# KiCad board musa.kicad_pcb (continued)
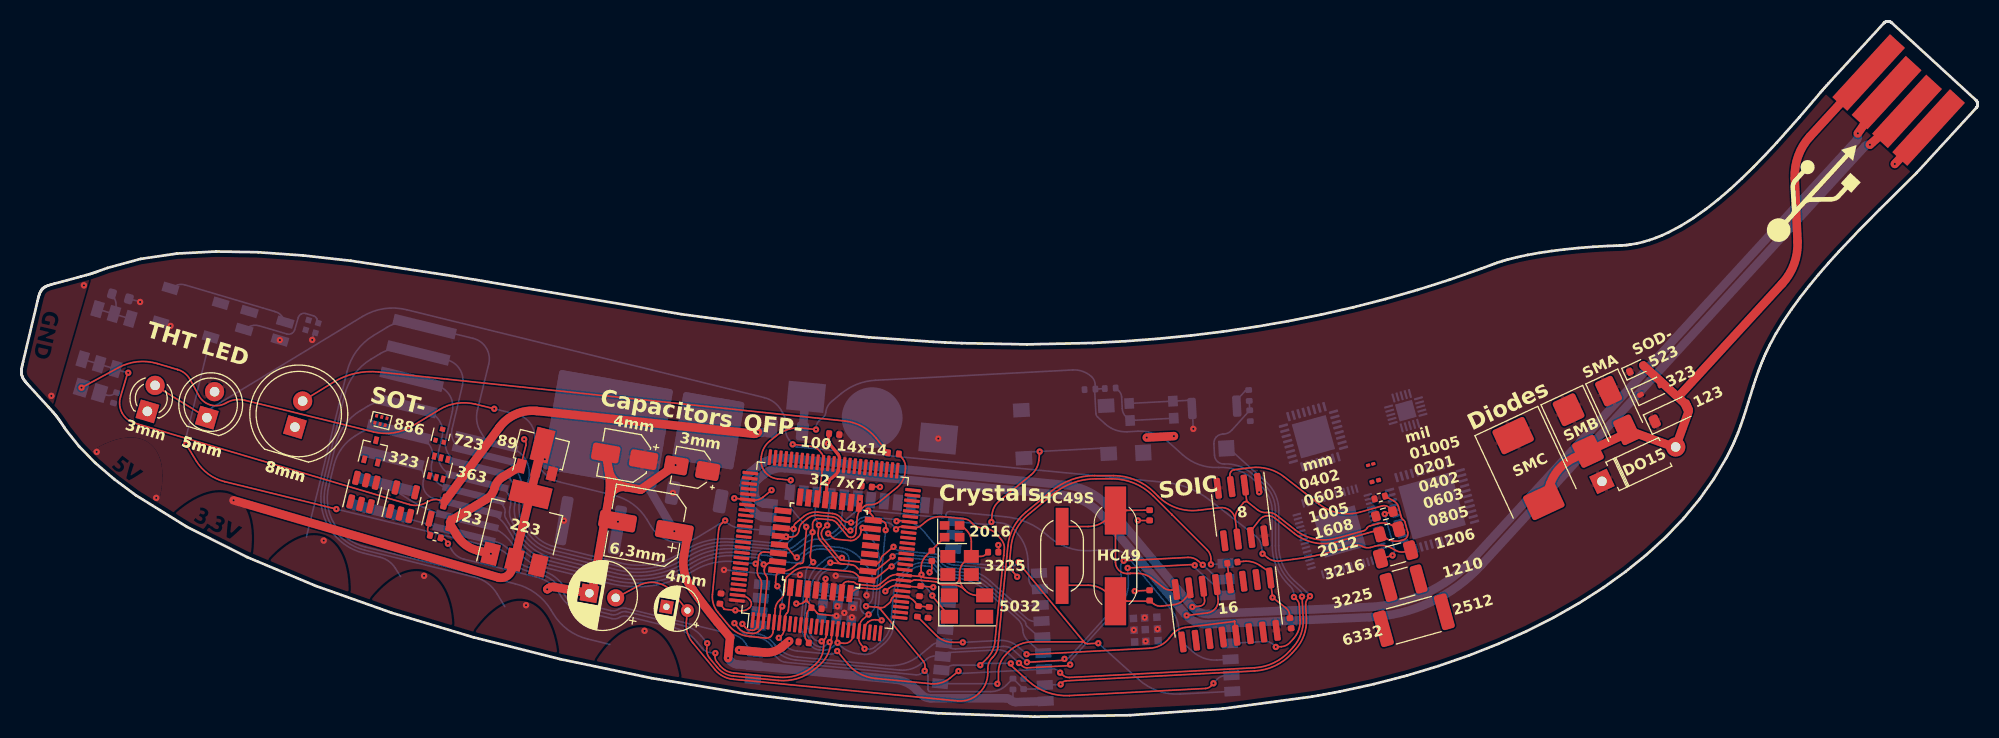
[diagram p0: board, top side]
## Routing (per net, layer and track width the routed paths; a pad name or vN(x,y) marks a point on that pad's centre or on a via; arc(x,y) is an arc through that point)
+3.3V: length 95.6
  Top w0.8: 62.33,16.7 62.34,16.69 arc(62.34,16.68) 62.34,16.67 62.06,15.08 arc(62.09,13.54) 62.71,12.14 62.92,11.84 arc(64.02,10.33) 65.19,8.86 66.38,7.41 v1(66.2,5.48) ; 19.88,20.25 44.65,13.04 arc(45.43,13.12) 45.91,13.73 U7.2 48.26,23.19
  Bottom w0.15: 64.32,26.76 58.43,27.7 ; R5.1 92.88,1.61 arc(92.95,1.43) 93.14,1.36
  Bottom w0.8: U5.1 93.14,1.36 arc(92.9,1.4) 92.7,1.54 arc(92.5,1.67) 92.26,1.72 85.17,1.72 arc(84.69,1.81) 84.29,2.08 83.83,2.54 arc(82.93,3.18) 81.86,3.47 67,4.9 arc(66.68,5) 66.42,5.21 v1(66.2,5.48) ; v1(61.16,17.36) 57.22,24.07
  vias: v1(19.87,20.26) v1(49.03,24.1)
GND: length 100.3
  Top w0.15: 73.32,10.72 73.29,10.71 arc(73.08,10.59) 72.84,10.57 v1(72.59,10.59) ; 73.32,10.72 arc(73.49,10.93) 73.56,11.19 ; 73.32,10.72 arc(73.52,10.79) 73.72,10.69 ; U8.1 47.26,25.42 arc(47.27,25.62) 47.2,25.8 v1(47.09,25.98) ; v1(91.51,16.07) 91.54,16.03 arc(91.56,15.99) 91.56,15.95 C11.2 ; v1(76.35,9.44) 76.34,9.44 arc(76.34,9.43) 76.33,9.43 74.78,9.58 arc(74.63,9.62) 74.52,9.72 74.17,10.14 ; C19.1 65.81,10.11 arc(65.82,10.11) 65.82,10.1 arc(65.82,10.1) 65.82,10.1 65.84,10.08 arc(65.86,10.06) 65.89,10.05 v1(66.88,9.95) 67.35,9.91 arc(67.78,9.95) 68.17,10.16 68.2,10.18 arc(68.38,10.52) 68.27,10.89 68.2,10.96 arc(67.89,11.22) 67.5,11.33 U2.99 ; 73.56,11.19 U4.3 ; 73.56,11.19 arc(73.59,10.92) 73.72,10.69 ; v1(104.29,11.76) 104.29,11.76 arc(104.29,11.76) 104.3,11.76 C12.1 ; U3.1 v1(117.19,11.15) 118.44,10.18 arc(118.67,9.92) 118.78,9.59 C4.2 ; v1(104.58,18.37) 105.68,18.35 ; U4.5 75.32,12.79 arc(75.32,12.8) 75.32,12.8 arc(75.32,12.8) 75.32,12.81 v1(75.33,12.9) ; 49.26,11.93 v1(49.26,11.92) ; v1(85.07,13.51) 85.17,13.61 arc(85.25,13.73) 85.28,13.87 85.28,14.47 ; C3.1 114.48,14.54 arc(115.27,14.49) 116,14.16 116.91,13.54 ; 79.76,21.4 79.85,21.48 arc(79.94,21.53) 80.05,21.54 v1(80.43,21.51) ; 73.97,10.38 73.72,10.69 ; v1(85.41,12.12) 85.41,12.12 arc(85.41,12.12) 85.41,12.12 C15.1 ; C14.1 73.56,7.14 arc(73.42,7.4) 73.39,7.69 73.58,9.62 arc(73.65,9.85) 73.8,10.04 74,10.2 ; v1(66.78,20.45) U2.81 68.55,20.27 arc(69.04,20.32) 69.48,20.56 v1(70.27,21.21) ; 84.18,12.19 84.15,12.17 arc(84.08,12.13) 84,12.12 82.13,12.3 arc(81.69,12.26) 81.29,12.04 v1(80.93,11.74) ; 40.15,18.2 arc(40.15,18.09) 40.18,17.98
  Top w0.3: U4.21 75.32,20.31 arc(75.33,20.32) 75.33,20.33 v1(75.49,22.02) 76.23,22.61 arc(76.44,22.86) 76.53,23.17 76.63,24.09 arc(76.6,24.35) 76.48,24.58 75.73,25.51 arc(75.68,25.55) 75.62,25.57 v1(75.56,25.57) C18.1
  Top w0.8: v1(43.98,15.25) 42.72,15.56 arc(41.61,16.08) 40.79,16.98 40.18,17.98 ; v1(71.92,7.08) 71.22,6.5 arc(70.46,6.09) 69.6,6.01 v1(67.22,6.24) ; 55,20.36 53.51,11.91 arc(53.46,11.77) 53.35,11.65 C1.2 49.84,12.15 arc(49.64,12.14) 49.45,12.06 49.27,11.94 arc(49.27,11.93) 49.26,11.93 ; 55,20.36 arc(55.58,21.26) 56.63,21.49 ; 55,20.36 arc(55.12,21.74) 55.01,23.12 ; U8.1 45.09,22.45 arc(44.6,22) 44.32,21.41 arc(44.05,20.81) 43.56,20.36 40.28,18.38 arc(40.2,18.3) 40.15,18.2 ; v1(175.48,51.75) J1.4 ; 56.63,21.49 57.97,21.26 arc(58.01,21.26) 58.04,21.28 58.07,21.3 arc(58.08,21.3) 58.08,21.31 arc(58.08,21.32) 58.09,21.32 v1(61.28,23.55) ; 56.63,21.49 arc(55.56,22.05) 55.01,23.12 ; v1(107.96,26.27) v1(105.41,26.13) ; 55.01,23.12 C6.2
  vias: v1(2.81,30.04) v1(5.86,40.39) v1(55.88,18.25) v1(76.44,10.34) v1(77.08,9.72) v1(77.79,9.3) v1(77.88,10.2) v1(104.2,8.11) v1(105.22,9.27) v1(105.3,7.05) v1(106.42,8.2) v1(115.94,21.01)
VCC: length 21.9
  Top w0.15: v1(79.16,11.36) 79.25,11.25
  Bottom w0.15: R13.2 11.08,38.87 arc(11.1,38.86) 11.11,38.85 v1(11.12,38.83) ; SW2.1 109.25,29.62 arc(109.4,29.6) 109.53,29.52 109.65,29.42 arc(109.65,29.41) 109.65,29.41 arc(109.64,29.4) 109.64,29.39 v1(109.77,26.95) ; v1(27.24,35.28) 27.41,35.98 ; v1(65.81,13.74) 65.95,13.73 arc(66.09,13.72) 66.22,13.71 70.67,13.28 arc(70.81,13.29) 70.93,13.36 arc(71.05,13.42) 71.19,13.44 v1(72.92,13.27) ; v1(76.28,13.19) 78.6,12.97 arc(78.87,12.89) 79.08,12.71 arc(79.22,12.47) 79.24,12.19 v1(79.16,11.36)
  vias: v1(7.06,24.79) v1(12.64,20.49) v1(13.97,36.58) v1(24.22,35.26) v1(50.83,18.35) v1(61.03,20.95) v1(85.88,26.04)
0/RX: length 102.5
  Top w0.15: 110.66,14.2 110.25,14.57 arc(109.8,14.84) 109.28,14.91 v1(103.25,14.6) ; U4.30 69.61,15.42 arc(69.41,15.4) 69.23,15.3 arc(69.1,15.15) 69.05,14.95 68.92,13.69 arc(68.96,13.34) 69.13,13.03 arc(69.29,12.73) 69.33,12.38 69.03,9.32 68.96,8.56 arc(68.9,8.37) 68.77,8.21 68.7,8.15 arc(68.6,8.09) 68.48,8.08 68.3,8.1 arc(68.02,8.18) 67.8,8.37 v1(67.54,8.68) ; v1(94.19,5.09) 97.49,5.27 arc(97.58,5.29) 97.65,5.34 v1(97.71,5.41)
  Bottom w0.15: v1(97.71,5.41) 97.87,5.42 arc(98.03,5.46) 98.15,5.55 102.04,9.87 arc(102.82,11.17) 103.03,12.66 102.96,14.04 arc(102.99,14.25) 103.1,14.43 v1(103.25,14.6) ; v1(67.54,8.68) 67.54,8.67 arc(67.54,8.66) 67.54,8.65 68.02,8.07 arc(68.23,7.9) 68.48,7.82 68.7,7.8 arc(69.68,7.51) 70.47,6.86 70.6,6.7 arc(71.54,5.93) 72.7,5.58 80.94,4.79 arc(82.67,4.97) 84.21,5.79 85.33,6.71 arc(85.66,6.89) 86.03,6.93 U6.36 86.74,6.61 arc(87.08,6.4) 87.48,6.34 91.97,6.58 arc(92.47,6.5) 92.91,6.24 v1(94.19,5.09) ; v1(68.78,14.32) 66.74,14.52 arc(64.79,14.39) 62.97,13.66 arc(59.18,12.28) 55.15,12.46 48.77,14.03 arc(47.25,14.74) 46.13,15.97 46.12,15.98 arc(45,17.21) 43.48,17.92 40.04,18.76 39.9,18.8 arc(38.09,19.4) 36.4,20.28 J4.7 ; 110.66,14.2 111.94,13.05 arc(112.21,12.88) 112.53,12.84 U5.11
  vias: v1(110.66,14.22)
1/TX: length 106.1
  Top w0.15: v1(109.9,14.18) 109.86,14.21 arc(109.82,14.24) 109.77,14.25 v1(103.62,13.92) ; v1(93.44,5.02) 93.78,4.72 arc(93.98,4.6) 94.21,4.57 98.08,4.77 arc(98.14,4.79) 98.19,4.83 v1(98.23,4.88) ; U4.31 70.6,14.55 arc(70.38,14.56) 70.16,14.49 69.93,14.34 arc(69.7,14.12) 69.59,13.81 69.58,13.72 arc(69.61,13.48) 69.73,13.26 arc(69.84,13.04) 69.87,12.79 U2.3 69.47,8.62 arc(69.38,8.32) 69.18,8.09 69.04,7.97 arc(68.76,7.82) 68.44,7.78 68.08,7.82 arc(67.57,7.97) 67.15,8.31 v1(66.79,8.75)
  Bottom w0.15: v1(103.62,13.92) 103.69,12.63 arc(103.51,11.41) 102.89,10.36 98.32,5.29 arc(98.25,5.17) 98.23,5.03 v1(98.23,4.88) ; v1(93.44,5.02) 92.48,5.89 arc(92.01,6.17) 91.46,6.25 86.89,6.01 arc(86.66,5.95) 86.47,5.81 U6.37 85.76,5.68 arc(85.25,5.63) 84.79,5.38 84.32,4.99 arc(83.35,4.47) 82.26,4.36 72.55,5.3 arc(71.39,5.65) 70.45,6.42 70.23,6.68 arc(69.54,7.24) 68.69,7.5 68.36,7.54 arc(67.79,7.72) 67.33,8.1 v1(66.79,8.75) ; J4.6 36.65,23.73 arc(37.49,23.11) 37.65,22.08 arc(37.81,21.05) 38.65,20.42 J3.6 43.41,19.24 arc(44.59,18.69) 45.47,17.73 46.1,16.69 arc(47.53,15.12) 49.46,14.22 55.27,12.79 arc(59.11,12.62) 62.73,13.92 63.09,14.14 arc(65.01,14.92) 67.08,15.05 68.74,14.89 arc(69,14.81) 69.21,14.64 v1(69.53,14.25) ; v1(109.9,14.18) 109.91,14.06 arc(109.93,13.96) 110,13.88 112.75,11.4 arc(112.81,11.36) 112.88,11.35 U5.12
11/MOSI: length 151.6
  Top w0.15: v1(79.36,9.56) 78.88,9.17 arc(78.61,8.84) 78.49,8.44 U2.21 78.41,7.55 arc(78.45,7.13) 78.65,6.75 v1(78.98,6.35) ; 75.65,17.13 75.84,16.89 arc(76.08,16.7) 76.38,16.61 77.65,16.49 arc(77.93,16.51) 78.18,16.65 78.38,16.81 arc(78.55,17.03) 78.63,17.29 78.65,17.5 arc(78.68,17.58) 78.72,17.63 v1(78.79,17.69) 78.86,17.73 arc(78.94,17.76) 79.02,17.76 U4.15 ; 75.65,17.13 75.62,17.16 ; 75.65,17.13 arc(75.63,17.14) 75.62,17.15 ; 75.62,17.16 arc(75.61,17.17) 75.59,17.16 v1(75.57,17.15) 75.53,17.15 75.62,17.15 ; 75.62,17.16 arc(75.62,17.15) 75.62,17.15
  Bottom w0.15: U6.19 76.82,18.37 arc(76.68,17.88) 76.35,17.49 76.08,17.26 arc(75.93,17.17) 75.75,17.15 v1(75.57,17.15) ; v1(78.79,17.69) 79.63,16.66 arc(80.22,15.56) 80.35,14.31 79.97,10.41 arc(79.87,10.07) 79.65,9.8 v1(79.36,9.56) 79.15,9.58 arc(78.96,9.64) 78.81,9.77 78.75,9.83 arc(78.62,10.08) 78.59,10.36 78.63,10.81 arc(78.63,10.89) 78.59,10.96 arc(78.53,11.02) 78.45,11.04 74.69,11.4 arc(74.55,11.48) 74.5,11.63 74.59,12.57 arc(74.74,13.06) 75.06,13.45 arc(75.51,13.7) 76.02,13.75 76.66,13.69 arc(76.95,13.72) 77.21,13.85 arc(77.4,14.08) 77.48,14.37 77.51,14.71 arc(77.47,15.02) 77.28,15.26 arc(77.04,15.4) 76.78,15.47 75.08,15.69 arc(74.24,15.61) 73.49,15.2 73.3,15.05 arc(73.21,14.94) 73.17,14.79 arc(73.12,14.65) 73.03,14.53 72.98,14.5 arc(72.8,14.4) 72.6,14.38 70.89,14.54 arc(70.6,14.63) 70.38,14.81 arc(70.15,15) 69.87,15.09 67.05,15.36 arc(64.86,15.22) 62.83,14.39 62.45,14.17 arc(59.05,12.94) 55.43,13.11 49.62,14.54 arc(47.75,15.42) 46.36,16.94 45.37,18.57 arc(45.28,18.82) 45.29,19.08 arc(45.3,19.35) 45.21,19.59 45.1,19.78 arc(44.79,20.12) 44.37,20.32 J3.5 39.92,21.39 arc(38.69,22.29) 38.45,23.8 38.49,23.96 arc(38.28,25.36) 37.14,26.2 36.58,26.34 arc(35.35,26.65) 34.11,26.96 arc(32.91,27.01) 31.78,26.6 31.3,26.31 arc(30.02,25.14) 29.28,23.57 28.79,21.56 arc(28.71,19.73) 29.33,18.01 arc(30.57,16.66) 32.23,15.88 46.26,12.44 arc(48.19,11.54) 49.62,9.97 49.83,9.62 arc(51.2,8.13) 53.03,7.27 55.12,6.76 ; 95.21,7.42 U5.5 95.48,7.44 arc(95.34,7.46) 95.22,7.53 94.19,8.46 arc(94.11,8.57) 94.07,8.71 arc(94.03,8.85) 93.95,8.97 90.52,12.05 arc(89.25,12.87) 87.79,13.25 86.82,13.35 arc(86.28,13.51) 85.84,13.87 85.6,14.16 arc(85.44,14.29) 85.24,14.35 84.61,14.41 arc(83.81,14.33) 83.1,13.95 82.8,13.7 arc(82.05,12.79) 81.71,11.66 81.43,8.72 arc(81.14,7.75) 80.5,6.97 79.94,6.51 arc(79.65,6.35) 79.32,6.32 v1(78.98,6.35)
  vias: v1(58.37,8.04)
12/MISO: length 147.7
  Top w0.15: v1(80.95,17.47) 80.99,17.85 arc(80.97,18.01) 80.9,18.15 arc(80.77,18.26) 80.62,18.3 U4.16 79.81,18.53 arc(79.79,18.68) 79.72,18.8 v1(79.32,19.3) ; U2.22 78.98,8.28 arc(79.07,8.58) 79.26,8.82 79.32,8.86 arc(79.65,9.04) 80.02,9.07 v1(80.58,9.02)
  Bottom w0.15: 37.16,28.81 37.94,28.61 arc(39.17,27.68) 39.4,26.16 39.1,24.94 arc(39.34,23.44) 40.57,22.54 41.38,22.35 arc(42.67,22.04) 43.97,21.72 44.62,21.56 arc(45.18,21.3) 45.6,20.84 arc(45.82,20.25) 45.79,19.63 45.77,19.57 arc(45.74,18.89) 45.98,18.25 46.66,17.12 arc(47.96,15.7) 49.7,14.88 55.65,13.42 arc(58.94,13.26) 62.05,14.35 62.71,14.73 arc(64.74,15.55) 66.94,15.69 71.1,15.29 arc(72.07,15.39) 72.94,15.86 73.27,16.13 arc(74.02,16.53) 74.86,16.62 75.29,16.57 arc(75.72,16.62) 76.11,16.83 76.84,17.43 arc(77.07,17.71) 77.18,18.06 77.19,18.23 arc(77.25,18.42) 77.37,18.57 78,19.09 arc(78.39,19.3) 78.84,19.34 v1(79.32,19.3) ; 37.16,28.81 arc(35.95,29.12) 34.74,29.42 arc(34.78,29.41) 34.81,29.4 ; 37.16,28.81 arc(35.97,29.11) 34.81,29.4 ; v1(79.32,19.3) 86.29,18.63 arc(86.5,18.69) 86.6,18.88 arc(86.64,19.02) 86.73,19.13 arc(86.86,19.2) 87,19.21 92.14,18.72 arc(94.26,18.17) 96.11,16.97 96.15,16.93 arc(97.98,15.84) 100.08,15.54 102.05,15.64 arc(102.93,15.48) 103.65,14.94 107.72,10 arc(108.2,9.17) 108.41,8.23 arc(108.64,7.31) 109.2,6.56 109.71,6.1 arc(110.76,5.47) 111.97,5.3 U5.16 ; v1(79.32,19.3) U6.21 ; 45.28,10.31 44.55,11.52 arc(43.65,12.5) 42.44,13.07 32.16,15.59 arc(30.39,16.42) 29.08,17.85 arc(28.41,19.68) 28.5,21.63 29.46,25.54 arc(30.29,27.32) 31.74,28.64 32.45,29.07 arc(33.56,29.47) 34.73,29.42 34.81,29.4 ; v1(80.58,9.02) 80.38,9.26 arc(80.24,9.51) 80.21,9.8 80.95,17.47 arc(80.95,17.47) v1(80.95,17.47)
  vias: v1(47.27,10.44)
13/SCK: length 112.8
  Top w0.15: R3#2.1 82.53,24.18 arc(82.77,23.73) 82.81,23.22 82.78,22.88 arc(82.53,22.08) 82,21.44 80.41,20.15 arc(79.92,19.9) 79.38,19.85 arc(79.18,19.83) 78.99,19.74 78.76,19.54 arc(78.44,19.16) 78.3,18.69 78.15,17.18 arc(78.1,17.02) 77.99,16.88 arc(77.84,16.8) 77.67,16.79 77.67,16.79 arc(77.5,16.84) 77.36,16.95 76.41,18.1 arc(76.13,18.33) 75.79,18.44 74.67,18.53 arc(74.47,18.51) 74.29,18.4 74.27,18.39 arc(74.15,18.22) 74.11,18.02 v1(74.11,17.27) 73.9,15.05 arc(73.92,14.83) 74.02,14.64 v1(74.17,14.46) ; U2.17 76.36,7.13 arc(76.36,7.05) 76.4,6.99 v1(76.45,6.92) 77.04,6.86 arc(77.35,6.9) 77.62,7.04 arc(77.82,7.28) 77.91,7.58 U2.20
  Bottom w0.15: U5.4 95.64,5.94 arc(95.57,5.95) 95.51,5.99 94.29,7.09 arc(93.94,7.55) 93.8,8.11 arc(93.66,8.67) 93.31,9.14 90.41,11.75 arc(89.13,12.58) 87.65,12.97 86.67,13.06 arc(86.13,13.22) 85.69,13.58 85.44,13.88 arc(85.29,14.01) 85.09,14.07 84.58,14.11 arc(83.9,14.05) 83.29,13.72 82.99,13.47 arc(82.32,12.65) 82.01,11.63 81.72,8.61 arc(81.42,7.61) 80.75,6.79 79.95,6.13 arc(79.49,5.88) 78.97,5.83 78.41,5.88 arc(77.33,6.21) v1(76.45,6.92) 76.46,6.92 arc(76.46,6.92) 76.46,6.92 76,6.53 arc(75.52,6.28) 74.98,6.22 74.75,6.25 arc(74.29,6.38) 73.93,6.68 73.59,7.09 arc(73.13,7.95) 73.03,8.92 73.47,13.49 arc(73.59,13.88) 73.84,14.19 v1(74.17,14.46) ; v1(74.11,17.27) 73.63,16.91 arc(73.14,16.55) 72.67,16.17 72.51,16.04 arc(71.84,15.67) 71.08,15.6 66.78,16.01 arc(64.59,15.87) 62.56,15.05 61.81,14.61 arc(58.89,13.6) 55.8,13.75 49.79,15.22 arc(48.17,15.98) 46.96,17.3 46.56,17.96 arc(46.2,18.96) 46.24,20.02 46.3,20.24 arc(46.34,21.08) 46.05,21.88 arc(45.48,22.5) 44.72,22.85 J3.3 41.15,23.74 arc(39.99,24.6) 39.76,26.04 40.36,28.55 arc(40.12,30.08) 38.88,31 J4.3
  vias: v1(78.53,20.13)
555: length 136.4
  Top w0.15: R10.1 129.64,15.45 arc(129.17,15.42) 128.72,15.57 128.36,15.77 arc(127.6,16.02) 126.79,15.96 126.37,15.85 arc(125.98,15.82) 125.61,15.94 arc(125.24,16.06) 124.85,16.03 122.82,15.47 arc(120.98,15.03) 119.11,14.73 117.83,14.57 arc(117.25,14.62) 116.74,14.88 v1(116.26,15.25) ; 12.54,30.99 17.39,27.99 ; v1(72.25,25.5) 73.93,25.32 arc(74.42,25.17) 74.81,24.85 74.94,24.68 arc(75.09,24.41) 75.11,24.1 74.76,20.71 arc(74.72,20.59) 74.63,20.48 U4.22
  Bottom w0.15: 17.39,27.99 17.48,28.38 arc(17.64,28.72) 17.92,28.97 31.96,37.48 arc(33.95,38.2) 36.07,38.11 69.59,29.87 arc(70.48,29.46) 71.15,28.73 71.31,28.46 arc(71.57,27.81) 71.62,27.1 71.6,26.92 arc(71.65,26.4) 71.9,25.93 v1(72.25,25.5) 72.35,25.39 arc(72.46,25.3) 72.6,25.26 107.19,21.93 arc(109.35,21.4) 111.29,20.3 115.59,16.93 arc(115.99,16.47) 116.18,15.89 v1(116.26,15.25)
/555_2: length 101.5
  Top w0.15: 113.71,18.44 U1.6 ; 113.71,18.44 arc(113.55,18.92) 113.22,19.31 arc(112.76,19.53) 112.26,19.57 110.26,19.33 arc(108.22,19.54) 106.48,20.63 106.13,20.98 arc(104.37,22.16) 102.29,22.57 100.52,22.57 arc(98.38,22.2) 96.49,21.12 94.09,19.15 arc(92.93,17.72) 92.4,15.97 92.3,14.97 91.46,6.46 arc(91.29,5.98) 90.99,5.56 90.96,5.54 arc(90.63,5.05) 90.52,4.47 90.52,4.06 arc(90.33,3.09) 89.78,2.28 89.69,2.19 arc(88.78,1.61) 87.7,1.47 66.67,3.5 arc(65.73,3.78) 64.97,4.4 62.87,6.94 arc(62.39,7.84) 62.29,8.86 C2.1 60.99,11.65 arc(59.53,12.53) 57.85,12.28 C1.1 ; 113.71,18.44 arc(113.74,18.95) 113.97,19.4 114.46,20.03 arc(114.55,20.1) 114.66,20.14 arc(114.77,20.13) 114.87,20.08 ; R1.2 128.39,17.91 arc(127.75,18.12) 127.08,18.07 126.31,17.86 arc(126.15,17.78) 126.02,17.63 arc(125.9,17.49) 125.74,17.41 123.21,16.71 arc(121.18,16.63) 119.33,17.48 117.54,18.88 arc(117.13,19.08) 116.67,19.12 arc(116.21,19.15) 115.8,19.36 114.87,20.08 ; 114.87,20.08 arc(114.8,20.17) 114.76,20.27 114.59,21.68 arc(114.59,21.69) 114.59,21.69 U1.2
/555_3: length 24.3
  Top w0.15: R10.2 127.32,14.8 arc(127.33,14.79) 127.35,14.79 v1(128.43,15.1) ; U1.3 113.2,22.58 arc(113.21,22.77) 113.3,22.94 arc(113.44,23.07) 113.63,23.13 115.17,23.32 arc(116.82,23.19) 118.29,22.45 121.53,19.92 arc(123.38,19.07) 125.41,19.16 127.46,19.74 arc(127.84,19.73) 128.17,19.53 R3.2 127.72,18.99 arc(127.71,18.99) 127.71,18.98 v1(127.7,18.97)
  Bottom w0.15: v1(127.7,18.97) 128.6,15.73 arc(128.62,15.51) 128.55,15.3 v1(128.43,15.1)
/555_7: length 21.8
  Top w0.15: U1.7 115.15,17.06 arc(115.17,17.32) 115.29,17.56 115.97,18.43 arc(116.27,18.69) 116.65,18.81 arc(117.05,18.78) 117.4,18.6 119.24,17.15 arc(121.14,16.28) 123.23,16.37 126.13,17.21 126.66,17.35 127.88,16.66 arc(128.54,16.44) 129.24,16.49 129.44,16.55 arc(129.8,16.83) 129.85,17.28 129.58,18.24 arc(129.52,18.36) 129.42,18.45 arc(129.32,18.54) 129.26,18.66 128.99,19.65 arc(128.83,19.96) 128.57,20.18 R2.2
A4/SDA: length 149.5
  Top w0.15: v1(93.41,14.48) 93.66,14.18 arc(93.68,14.15) 93.68,14.12 arc(93.68,14.09) 93.7,14.06 99.42,7.12 ; v1(81.98,18.31) 82.03,18.34 arc(82.08,18.37) 82.13,18.38 83.13,18.28 arc(83.16,18.27) 83.18,18.25 U2.44 ; 99.37,7.01 94.74,7.01 arc(93.51,6.76) 92.46,6.07 92.21,5.81 arc(91.7,5.05) 91.52,4.15 91.52,3.24 arc(91.51,3.18) 91.47,3.12 v1(91.42,3.07) ; 99.37,7.01 arc(99.43,7.05) 99.42,7.12 ; 99.37,7.01 arc(99.5,6.98) 99.62,6.91 ; v1(77.71,18.17) 77.4,18.2 arc(77.11,18.29) 76.88,18.48 76.77,18.6 arc(76.43,18.89) 75.99,19.02 74.61,19.15 arc(73.91,19.08) 73.28,18.75 72.53,18.13 arc(72.41,17.97) 72.35,17.78 v1(72.33,17.57) U4.27 ; v1(100.87,6.88) 99.86,6.83 arc(99.73,6.84) 99.62,6.91 ; 99.42,7.12 arc(99.51,7.01) 99.62,6.91
  Bottom w0.15: v1(91.42,3.07) 91.41,3.08 arc(91.4,3.09) 91.39,3.09 U6.39 ; U5.18 108.54,2.11 arc(106.44,2.42) 104.62,3.5 v1(100.87,6.88) ; v1(72.33,17.57) 72.26,16.9 arc(72.2,16.7) 72.07,16.54 71.76,16.28 arc(71.24,16) 70.65,15.94 66.63,16.33 arc(64.44,16.19) 62.4,15.36 61.48,14.82 arc(58.84,13.91) 56.06,14.04 49.87,15.56 arc(48.37,16.26) 47.26,17.48 47.13,17.69 arc(46.65,19.03) 46.71,20.45 46.8,20.8 arc(46.85,21.88) 46.48,22.89 arc(45.75,23.68) 44.78,24.14 J3.2 41.61,24.9 arc(40.55,25.67) 40.35,26.96 41.31,31.01 arc(41.07,32.52) 39.83,33.42 38.39,33.76 arc(37.16,34.06) 35.94,34.36 arc(34.75,34.41) 33.63,34 32.74,33.46 arc(31.17,32.03) 30.27,30.11 28.21,21.7 arc(28.12,19.64) 28.82,17.7 arc(30.21,16.18) 32.08,15.3 33.61,14.93 arc(34.41,14.56) 35.02,13.91 35.52,13.12 ; v1(93.41,14.48) 93.11,14.23 arc(92.79,14.06) 92.43,14.02 87.73,14.47 arc(86.91,14.72) 86.25,15.26 84.5,17.38 arc(83.8,17.95) 82.93,18.21 v1(81.98,18.31) 81.92,18.38 arc(81.84,18.44) 81.75,18.47 79.3,18.71 arc(78.82,18.66) 78.39,18.43 78.09,18.18 arc(77.99,18.13) 77.87,18.12 77.78,18.13 arc(77.75,18.13) 77.73,18.15 v1(77.71,18.17)
  vias: v1(37.72,13.19)
A5/SCL: length 141.8
  Top w0.15: v1(111.66,3.12) 111.45,2.89 arc(111.21,2.71) 110.92,2.64 98.16,1.97 arc(96.11,2.27) 94.32,3.33 92.75,4.75 arc(92.7,4.81) 92.68,4.9 v1(92.68,4.99) ; v1(89.82,4.82) 90.46,5.46 arc(90.96,6.17) 91.19,7 92.01,15.08 92.07,15.68 arc(92.02,16.15) 91.8,16.57 91.48,16.95 arc(90.89,17.43) 90.16,17.65 89.91,17.68 arc(89.41,17.83) 89,18.16 arc(88.69,18.42) 88.3,18.53 86.3,18.73 arc(85.44,18.64) 84.68,18.23 84.29,17.91 arc(83.95,17.73) 83.56,17.69 U2.43 82.47,17.79 arc(82.27,17.77) 82.09,17.68 v1(81.93,17.54) ; v1(77.65,17.43) 77.49,17.44 arc(77.35,17.49) 77.23,17.58 76.57,18.39 arc(76.28,18.62) 75.93,18.72 74.58,18.85 arc(74.07,18.8) 73.61,18.56 73.2,18.22 arc(72.96,17.93) 72.86,17.57 72.85,17.48 arc(72.76,17.21) 72.58,16.98 arc(72.33,16.85) 72.05,16.82 v1(71.63,16.86)
  Bottom w0.15: v1(71.63,16.86) 71.24,16.54 arc(70.82,16.32) 70.35,16.27 66.53,16.64 arc(64.34,16.5) 62.31,15.67 61.58,15.22 arc(58.94,14.26) 56.14,14.38 49.95,15.91 arc(48.58,16.55) 47.56,17.66 arc(47.04,19.08) 47.11,20.59 47.51,22.22 arc(47.55,23.18) 47.22,24.09 arc(46.57,24.81) 45.69,25.22 J3.1 43.02,26.67 arc(42.66,27.64) 42.71,28.67 43.78,33.01 arc(43.54,34.52) 42.31,35.42 J4.1 36.56,36.82 arc(35.38,36.87) 34.27,36.47 32.97,35.68 arc(31.41,34.25) 30.51,32.33 26.7,16.83 ; v1(92.68,4.99) 90.1,4.99 arc(89.99,4.97) 89.9,4.9 v1(89.82,4.82) 87.32,4.82 arc(87,4.76) 86.73,4.58 86.6,4.44 arc(86.48,4.36) 86.33,4.35 U6.38 ; v1(111.66,3.12) 111.97,3.47 arc(112.32,3.73) 112.74,3.84 U5.17 ; v1(81.93,17.54) 81.68,17.85 arc(81.39,18.08) 81.03,18.19 79.18,18.37 arc(78.85,18.33) 78.56,18.18 78.28,17.95 arc(78.28,17.95) 78.28,17.95 v1(77.65,17.43)
  vias: v1(28.32,16.49)
boot: length 28.7
  Top w0.15: v1(95.38,24.82) 95.3,24 arc(95.08,23.26) 94.59,22.66 91.57,20.17 arc(91.13,19.63) 90.93,18.96 v1(90.86,18.23)
  Bottom w0.15: U6.27 90.36,17.99 arc(90.54,18.01) 90.71,18.1 v1(90.86,18.23) 91.7,18.15 arc(92.46,17.92) 93.08,17.41 93.37,17.05 arc(94.01,15.97) 94.27,14.74 94.37,12.83 arc(94.46,12.47) 94.68,12.18 94.82,12.06 arc(94.99,11.96) 95.19,11.93 U5.8 ; 101.85,25.17 93.91,24.76
D+: length 141.6
  Top w0.15: U3.5 112.1,11 arc(112.06,10.55) 111.86,10.15 arc(111.52,9.85) 111.1,9.71 v1(109.15,9.47)
  Top w0.8: v1(173.14,53.55) J1.3
  Bottom w0.8: U6.14 69.68,19.94 arc(69.3,20.02) 68.97,20.24 68.96,20.25 arc(68.74,20.59) 68.66,20.98 68.66,21.54 arc(68.74,21.92) 68.98,22.22 69.52,22.67 arc(70.45,23.16) 71.49,23.27 97.55,20.75 arc(99.59,20.14) 101.25,18.8 109,9.6 arc(109.98,8.87) 111.17,8.65 126.26,9.31 arc(131.99,10.71) 136.75,14.2 172.68,53.41 arc(172.81,53.51) 172.97,53.55 v1(173.14,53.55)
D-: length 141.7
  Top w0.15: 109.58,10.25 110.41,10.36 arc(110.59,10.42) 110.73,10.54 arc(110.81,10.71) 110.83,10.89 U3.6
  Top w0.8: v1(172.01,54.62) J1.2
  Bottom w0.8: U6.13 69.58,18.68 arc(69.2,18.75) 68.89,18.96 68.29,19.56 arc(67.85,20.22) 67.7,21 67.7,21.61 arc(67.7,21.63) 67.69,21.64 arc(67.68,21.66) 67.68,21.67 arc(67.89,22.37) 68.34,22.93 68.92,23.4 arc(70.17,24.07) 71.58,24.21 97.74,21.7 arc(100.09,20.99) 102,19.45 v1(109.68,10.28) arc(110.36,9.77) 111.19,9.61 126.24,10.27 arc(131.59,11.58) 136.03,14.83 171.87,53.94 arc(171.99,54.14) 172.02,54.37 v1(172.01,54.62)
DTR: length 33.1
  Top w0.15: v1(94.15,5.84) 94.17,5.82 arc(94.19,5.81) 94.22,5.81 105.7,6.41 arc(106.72,6.69) 107.53,7.36 107.74,7.64 arc(108.31,8.12) 109.02,8.35 113.63,8.92 U3.13 ; 83.93,9.38 85.7,7.6 arc(86.42,7.12) 87.26,6.95 v1(88.18,6.95)
  Bottom w0.15: v1(88.18,6.95) 91.65,7.14 arc(92.59,7) 93.4,6.52 v1(94.15,5.84)
ESP_EN: length 144
  Top w0.15: v1(120.7,11.28) 120.49,11.05 arc(120.34,10.79) 120.3,10.5 120.36,9.17 arc(120.14,7.64) 119.35,6.31 119.03,5.96 arc(117.44,4.77) 115.51,4.28 97.85,3.35 arc(97.65,3.3) 97.49,3.18 v1(97.34,3.02) ; v1(79.12,10.34) 80.13,10.24 ; 80.13,10.24 80.54,10.2 ; 80.13,10.24 arc(80.31,10.19) 80.46,10.07 ; 80.46,10.07 84.46,5.21 arc(84.61,4.94) 84.64,4.62 v1(84.61,4.29) ; 80.46,10.07 arc(80.45,10.16) 80.54,10.2 ; U4.29 71.29,16.06 arc(71.56,15.98) 71.77,15.81 72.46,14.97 arc(72.51,14.93) 72.58,14.91 v1(72.63,14.91) ; R11.1 84,10.36 83.67,10.77 arc(83.28,11.09) 82.8,11.23 81.81,11.33 81.6,11.16 arc(81.51,11.05) 81.47,10.92 arc(81.43,10.79) 81.34,10.68 80.9,10.31 arc(80.73,10.22) 80.54,10.2
  Bottom w0.15: U5.2 95.88,2.95 arc(95.88,2.94) 95.89,2.94 v1(97.34,3.02) ; v1(72.63,14.91) 73.48,15.58 arc(74.14,15.94) 74.88,16.01 76.55,15.85 arc(77.74,15.49) 78.7,14.71 79.18,14.12 arc(79.71,13.13) 79.82,12.02 79.75,11.21 arc(79.64,10.87) 79.41,10.59 v1(79.12,10.34) ; SW1.1 112.98,25.13 arc(113.08,25.12) 113.16,25.06 116.58,21.99 arc(117.47,20.77) 117.78,19.29 117.77,16.01 arc(118.15,14.21) 119.23,12.72 120.65,11.45 arc(120.68,11.4) 120.7,11.34 v1(120.7,11.28) ; J4.8 J3.8 44.36,16.39 arc(45.32,15.94) 46.03,15.16 46.12,15.03 arc(46.73,14.36) 47.55,13.97 48.68,13.7 arc(49.94,13.1) 50.89,12.07 51.21,11.54 arc(51.76,10.94) 52.5,10.59 55.2,9.93 arc(55.57,9.91) 55.91,10.04 arc(56.26,10.16) 56.62,10.15 66.71,7.67 arc(67.37,7.36) 67.86,6.82 68.13,6.38 arc(68.29,6.2) 68.51,6.1 arc(68.76,6.05) 69.01,6.01 70.03,5.92 arc(70.46,5.79) 70.81,5.5 arc(71.16,5.22) 71.59,5.09 83.79,3.91 arc(84.1,3.94) 84.36,4.09 v1(84.61,4.29) 84.76,4.14 arc(84.88,3.97) 84.92,3.77 84.92,2.56 arc(84.94,2.48) 84.98,2.41 arc(85.05,2.36) 85.14,2.34 90.79,2.34 arc(91.59,2.5) 92.27,2.95 R5.2 C8.2 95.87,2.61
neopixel: length 148.1
  Top w0.15: v1(29.5,19.44) 19.04,22.01 arc(17.51,22.72) 16.36,23.97 v1(15.43,25.51) ; 76.71,14.71 75.1,16.65 arc(74.97,16.9) 74.94,17.19 arc(75.02,17.46) 75.2,17.68 v1(75.48,17.92) ; 76.71,14.71 arc(76.73,14.7) 76.75,14.72 ; 76.71,14.71 arc(76.75,14.67) 76.81,14.65 ; v1(76.86,14.87) 76.81,14.82 arc(76.77,14.78) 76.75,14.72 ; v1(81.69,15.9) 80.68,15.07 arc(80.58,14.94) 80.53,14.79 arc(80.48,14.63) 80.38,14.5 80.17,14.33 76.81,14.65 ; v1(93.27,13.1) 92.89,13.56 arc(92.63,14.05) 92.57,14.61 92.69,15.88 arc(93.2,17.56) 94.31,18.93 96.62,20.82 arc(98.5,21.9) 100.64,22.27 102.16,22.27 arc(104.24,21.86) 106.01,20.68 107.76,18.92 111.06,15.62 arc(111.33,15.23) 111.42,14.76 111.42,14.25 ; U2.16 75.84,6.94 arc(75.47,5.73) 74.68,4.76 74.25,4.41 arc(72.69,3.57) 70.92,3.39 66.71,3.79 arc(65.87,4.05) 65.19,4.6 64.46,5.48 arc(64.24,5.9) 64.19,6.37 v1(64.24,6.88) ; 76.81,14.65 arc(76.77,14.67) 76.75,14.72
  Bottom w0.15: v1(76.86,14.87) 75.89,14.96 arc(75.65,14.94) 75.44,14.82 74.7,14.22 arc(73.98,13.33) 73.65,12.24 73.33,8.89 arc(73.42,8.04) 73.82,7.28 74.16,6.87 arc(74.44,6.65) 74.77,6.54 74.98,6.52 arc(75.13,6.54) 75.26,6.61 v1(75.71,6.98) ; v1(15.43,25.51) 15.37,25.61 arc(15.34,25.71) 15.34,25.82 D8.4 ; v1(75.48,17.92) U6.18 ; v1(81.69,15.9) 81.83,15.74 arc(81.98,15.61) 82.17,15.55 85.64,15.22 arc(85.89,15.14) 86.1,14.98 86.3,14.73 arc(86.74,14.37) 87.28,14.21 88.17,14.12 91.14,13.84 92.42,13.71 arc(92.76,13.61) 93.03,13.39 v1(93.27,13.1) ; U5.10 112.78,14.34 arc(112.76,14.33) 112.74,14.32 111.42,14.25 ; v1(29.5,19.44) 44.46,15.78 arc(45.28,15.39) 45.89,14.72 arc(46.51,14.05) 47.33,13.67 48.45,13.39 arc(49.72,12.8) 50.66,11.77 50.91,11.35 arc(51.55,10.66) 52.41,10.26 55.26,9.56 arc(55.63,9.54) 55.97,9.66 56.03,9.7 arc(56.31,9.82) 56.61,9.84 56.65,9.83 62.25,8.46 arc(63.04,8.12) 63.68,7.56 v1(64.24,6.88)
  vias: v1(111.42,14.26)
P_LED: length 82.1
  Top w0.15: v1(75.77,14.42) 77.04,14.3 ; 77.04,14.3 77.74,14.23 arc(78.04,14.14) 78.28,13.94 arc(78.53,13.74) 78.82,13.65 79.5,13.59 arc(79.87,13.63) 80.2,13.8 81.58,14.94 arc(81.6,14.96) 81.6,14.98 v1(81.6,15.01) ; 77.04,14.3 76.79,14.32 arc(76.64,14.37) 76.51,14.47 74.82,16.52 arc(74.66,16.81) 74.63,17.15 v1(74.71,17.93) ; R4.1 39.48,16.68 arc(39.67,16.6) 39.81,16.45 v1(39.96,16.2) ; U2.15 75.39,7.5 arc(75.36,7.4) 75.29,7.31 arc(75.23,7.23) 75.19,7.13 75.12,6.34 arc(74.87,5.52) 74.33,4.86 74.09,4.66 arc(72.6,3.86) 70.92,3.69 66.71,4.1 arc(66.01,4.31) 65.44,4.77 65.14,5.14 arc(65,5.38) 64.98,5.66 v1(65.01,5.95)
  Bottom w0.15: U6.17 74.33,18.94 arc(74.36,18.6) 74.53,18.29 v1(74.71,17.93) ; v1(65.01,5.95) 64.54,5.99 arc(64.12,6.12) 63.79,6.39 63.28,7.01 arc(62.36,7.82) 61.24,8.29 56.74,9.4 arc(56.37,9.41) 56.03,9.29 arc(55.68,9.16) 55.32,9.18 52.39,9.9 arc(51.35,10.39) 50.57,11.24 50.44,11.46 arc(49.49,12.49) 48.23,13.08 41.45,14.75 arc(40.81,15.05) 40.34,15.56 v1(39.96,16.2) ; v1(75.77,14.42) 75.77,14.42 arc(75.76,14.42) 75.75,14.41 74.89,13.71 arc(74.22,12.89) 73.92,11.87 73.63,8.93 arc(73.71,8.13) 74.09,7.43 74.16,7.35 arc(74.38,7.17) 74.65,7.08 v1(74.96,7.05) ; v1(81.6,15.01) 81.77,15.14 arc(81.94,15.23) 82.14,15.25 85.56,14.92 arc(85.75,14.87) 85.9,14.74 86.15,14.44 arc(86.58,14.08) 87.13,13.92 88.23,13.81 arc(89.57,13.47) 90.73,12.71 92.59,11.04 arc(93.45,10.53) 94.43,10.39 U5.7
S_LED: length 122.5
  Top w0.15: v1(65.92,18.37) 65.64,18.13 arc(65.42,17.86) 65.32,17.53 64.73,11.43 arc(64.82,10.56) 65.23,9.78 66.28,8.52 arc(67.13,7.82) 68.17,7.51 69.72,7.36 arc(69.97,7.38) 70.18,7.5 arc(70.34,7.69) 70.41,7.92 U2.5 70.62,10.11 arc(70.75,10.57) 71.06,10.94 arc(71.36,11.32) 71.5,11.78 71.61,12.94 arc(71.64,13.02) 71.7,13.1 72.24,13.54 arc(72.9,13.9) 73.65,13.97 77.63,13.59 arc(78.03,13.47) 78.35,13.21 arc(78.67,12.95) 79.07,12.83 79.22,12.81 arc(79.77,12.87) 80.27,13.13 81.36,14.04 arc(81.41,14.06) 81.46,14.06 v1(81.51,14.06) ; v1(44.29,28.83) 42.51,29.26 arc(40.79,29.34) 39.16,28.75 36.63,27.22 arc(34.87,26.58) 32.99,26.66 20.92,29.63 arc(20.06,29.67) 19.24,29.41 19.11,29.34 arc(18.42,29.13) 17.71,29.19 arc(17.07,29.52) 16.62,30.08 15.81,31.56 arc(15.32,32.15) 14.64,32.5 arc(14.64,32.5) 14.64,32.5 arc(14.63,32.5) 14.63,32.5 12.73,33.06 arc(10.87,33.23) 9.09,32.68 v1(5.63,30.8)
  Bottom w0.15: U5.6 95.03,8.92 arc(94.54,8.99) 94.12,9.24 90.68,12.34 arc(89.41,13.16) 87.94,13.54 86.97,13.63 arc(86.43,13.8) 85.99,14.16 85.74,14.47 arc(85.59,14.58) 85.42,14.64 83.22,14.85 arc(82.59,14.79) 82.03,14.49 v1(81.51,14.06) ; U6.12 67.23,17.67 arc(66.51,17.89) v1(65.92,18.37) 63.28,16.77 arc(62.13,16.35) 60.91,16.41 arc(59.8,16.92) 58.97,17.83 58.59,18.47 arc(57.28,19.89) 55.53,20.71 50.49,21.95 arc(49.34,22.49) 48.48,23.43 48.3,23.73 arc(47.98,24.61) 48.02,25.55 48.04,25.62 arc(48.08,26.49) 47.78,27.3 arc(47.2,27.94) 46.41,28.31 v1(44.29,28.83)
SW1: length 98.8
  Top w0.15: v1(74.43,26.88) 73.1,27.02 arc(71.85,26.91) 70.74,26.32 70.1,25.81 arc(69.56,25.16) 69.31,24.35 69.29,24.17 arc(69.35,23.5) 69.67,22.9 arc(70.18,22.47) 70.83,22.27 v1(72.07,22.14) ; v1(70.81,12.21) 70.72,12.32 arc(70.66,12.44) 70.64,12.57 70.7,13.16 arc(70.9,13.53) 71.29,13.65 arc(71.8,13.7) 72.25,13.94 72.64,14.26 arc(72.77,14.33) 72.92,14.35 72.98,14.34 arc(73.08,14.35) 73.16,14.4 arc(73.22,14.47) 73.25,14.57 73.55,17.69 arc(73.55,17.72) 73.54,17.74 v1(73.51,17.77) ; v1(117.5,6.53) 118,6.55 arc(118.46,6.67) 118.84,6.95 119.16,7.31 arc(119.64,8.11) 119.77,9.03 119.7,10.45 arc(119.62,10.74) 119.44,10.99 v1(119.2,11.2) ; v1(71.27,10.32) 71.2,10.33 arc(71.16,10.31) 71.13,10.27 U2.6
  Bottom w0.15: v1(72.07,22.14) 71.96,21.05 arc(71.96,21.04) 71.97,21.03 arc(71.97,21.02) 71.97,21.01 71.92,20.4 arc(71.97,19.82) 72.25,19.3 v1(73.51,17.77) ; v1(117.5,6.53) 117.2,6.79 arc(116.88,6.98) 116.51,7.04 U5.15 ; v1(74.43,26.88) 74.46,27.2 arc(74.55,27.48) 74.73,27.71 75.09,28.01 arc(75.26,28.22) 75.34,28.47 arc(75.52,29.05) 75.89,29.51 76.8,30.26 arc(78.29,31.13) 79.99,31.5 98.48,32.47 arc(99.42,32.33) 100.23,31.85 arc(100.48,31.51) 100.58,31.11 100.6,30.73 ; 71.22,10.37 71.29,11.18 arc(71.25,11.56) 71.07,11.9 v1(70.81,12.21) ; 100.6,30.73 arc(100.62,30.69) 100.66,30.68 ; 100.6,30.73 arc(100.59,30.68) 100.57,30.64 ; v1(119.2,11.2) 119.19,11.47 arc(119.08,11.88) 118.83,12.23 arc(117.6,13.95) 117.16,16.03 117.17,19.17 arc(116.88,20.52) 116.07,21.64 115.51,22.14 arc(113.95,23.07) 112.14,23.33 arc(110.33,23.6) 108.76,24.53 107.45,25.71 arc(106.11,26.5) 104.57,26.73 103.58,26.68 arc(102.48,26.83) 101.53,27.4 100.81,28.05 arc(100.69,28.21) 100.64,28.4 100.53,30.54 arc(100.54,30.59) 100.57,30.64 ; 100.66,30.68 R16.1 ; 100.66,30.68 arc(100.61,30.67) 100.57,30.64
